# Altium PCB 4G_V4.0_5X4.PcbDoc (part 1 of 4)
Units mm, origin at the board's own origin, x right, y up, seen from the top; angles counter-clockwise.
Board outline 189.75 x 201.25 mm, 2 copper layers (Top Layer, Bottom Layer); 760 components, 0 nets, 5752 pads, 780 vias.
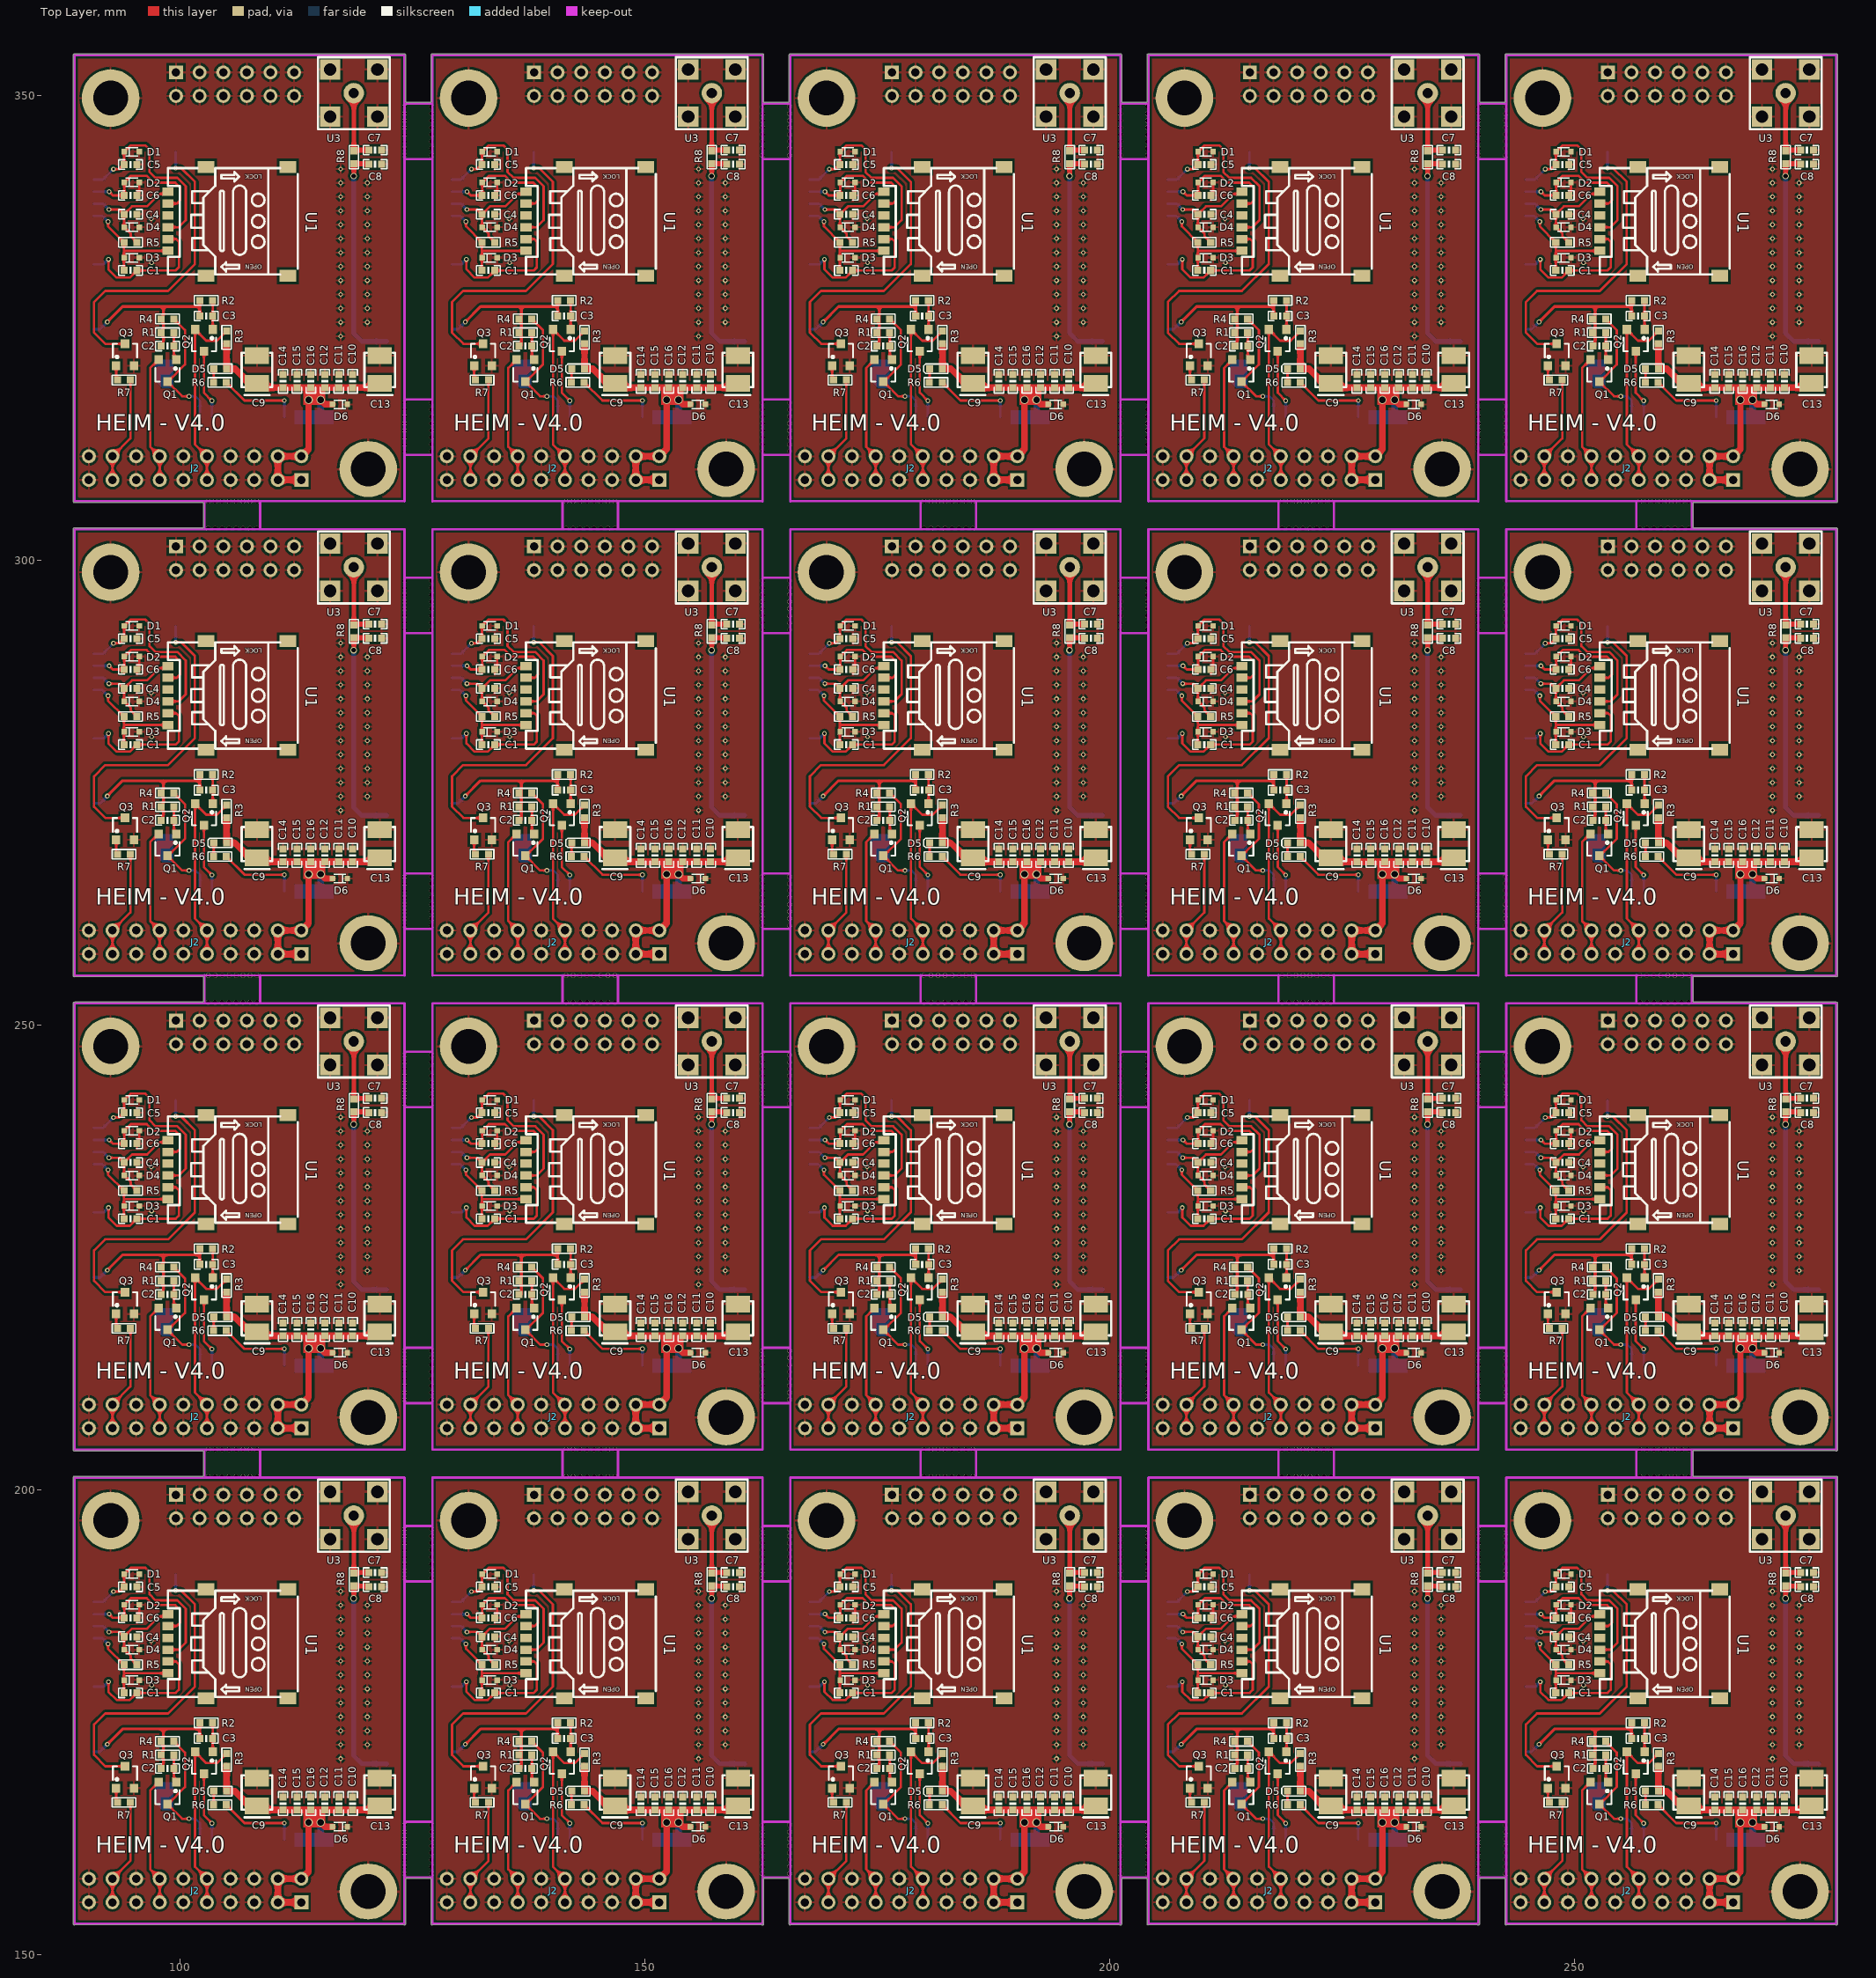
[diagram p0: Top Layer view]
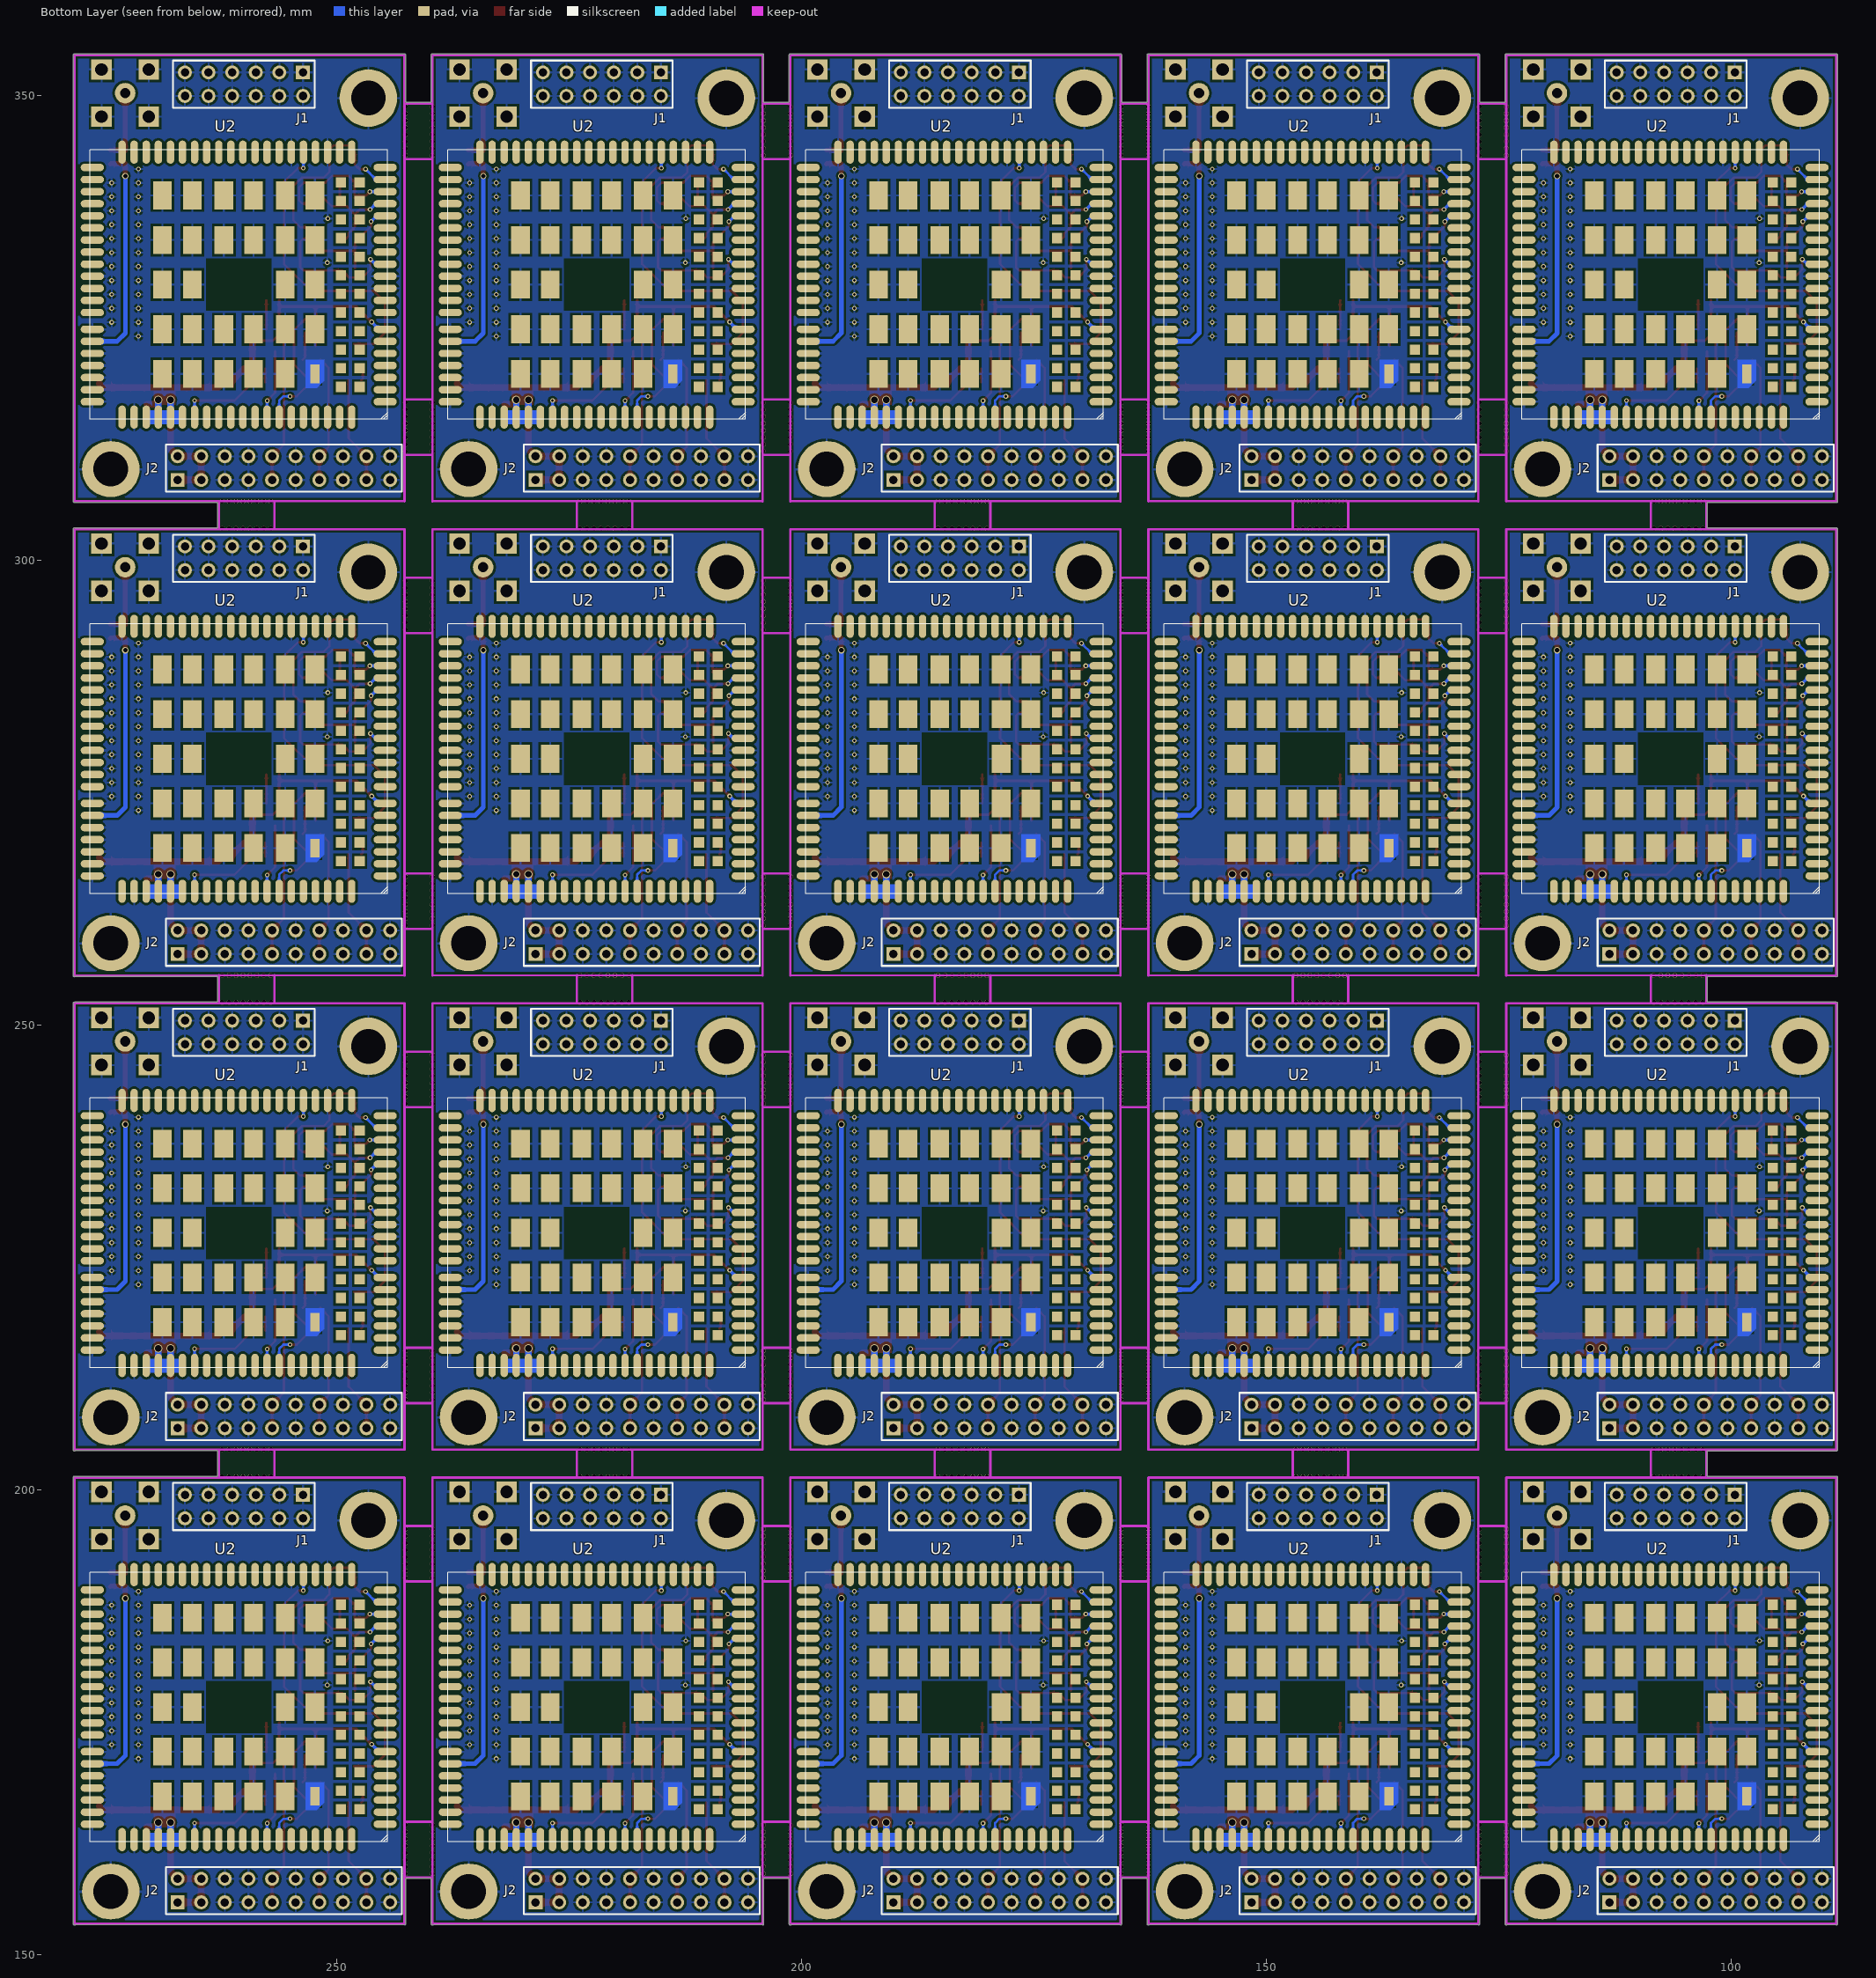
[diagram p1: Bottom Layer view, seen from below]

## Layer stack, top to bottom
Top Solder: solder mask 0.0102, Solder Resist, Dk 3.5
Top Layer: signal copper 0.0356
Dielectric 1: dielectric 0.32, FR-4, Dk 4.8
Bottom Layer: signal copper 0.0356
Bottom Solder: solder mask 0.0102, Solder Resist, Dk 3.5

## Board outline
88.548,153.301 88.548,201.301 cw(c88.675,201.301) 88.675,201.428 102.544,201.428 102.544,204.184 88.676,204.173 cw(c88.675,204.301) 88.548,204.301 88.548,252.301 cw(c88.675,252.301) 88.675,252.428 102.544,252.428 102.544,255.184 88.676,255.173 cw(c88.675,255.301) 88.548,255.301 88.548,303.301 cw(c88.675,303.301) 88.675,303.428 102.544,303.428 102.544,306.184 88.676,306.173 cw(c88.675,306.301) 88.548,306.301 88.548,354.301 cw(c88.675,354.301) 88.675,354.428 124.175,354.428 cw(c124.175,354.301) 124.303,354.301 124.303,349.221 127.048,349.221 127.048,354.301 cw(c127.175,354.301) 127.175,354.428 162.675,354.428 cw(c162.675,354.301) 162.803,354.301 162.803,349.221 165.548,349.221 165.548,354.301 cw(c165.675,354.301) 165.675,354.428 201.175,354.428 cw(c201.175,354.301) 201.303,354.301 201.303,349.221 204.048,349.221 204.048,354.301 cw(c204.175,354.301) 204.175,354.428 239.675,354.428 cw(c239.675,354.301) 239.803,354.301 239.803,349.221 242.548,349.221 242.548,354.301 cw(c242.675,354.301) 242.675,354.428 278.175,354.428 cw(c278.175,354.301) 278.303,354.301 278.303,306.301 cw(c278.175,306.301) 278.095,306.202 262.767,306.189 262.767,303.428 278.175,303.428 cw(c278.175,303.301) 278.303,303.301 278.303,255.301 cw(c278.175,255.301) 278.095,255.202 262.767,255.189 262.767,252.428 278.175,252.428 cw(c278.175,252.301) 278.303,252.301 278.303,204.301 cw(c278.175,204.301) 278.095,204.202 262.767,204.189 262.767,201.428 278.175,201.428 cw(c278.175,201.301) 278.303,201.301 278.303,153.301 cw(c278.175,153.301) 278.095,153.202 242.676,153.173 cw(c242.675,153.301) 242.548,153.301 242.548,158.171 239.803,158.171 239.803,153.301 cw(c239.675,153.301) 239.595,153.202 204.176,153.173 cw(c204.175,153.301) 204.048,153.301 204.048,158.171 201.303,158.171 201.303,153.301 cw(c201.175,153.301) 201.095,153.202 165.676,153.173 cw(c165.675,153.301) 165.548,153.301 165.548,158.171 162.803,158.171 162.803,153.301 cw(c162.675,153.301) 162.595,153.202 127.176,153.173 cw(c127.175,153.301) 127.048,153.301 127.048,158.171 124.303,158.171 124.303,153.301 cw(c124.175,153.301) 124.095,153.202 88.676,153.173 cw(c88.675,153.301)

## Design rules (kind name [scope] priority, off if disabled: settings)
Clearance [All] p1: gap=0.254
PolygonConnect [All] p1: connectstyle=Relief reliefconductorwidth=0.254 reliefentries=4 polygonreliefangle="90 Angle" airgapwidth=0.254
RoutingVias [All] p1: holewidth=0.711 width=1.27 viastyle="Through Hole" minholewidth=0.711 minwidth=1.27 maxholewidth=0.711 maxwidth=1.27
SolderMaskExpansion [All] p1: expansion=0.102
Width [All] p1: maxlimit=0.254 minlimit=0.254 preferedwidth=0.254
30 further rules are at their usual default settings.

## Components (designator, comment, footprint, x,y, rotation, side; value= is the part's Value field where it differs from the comment)
C1 "100NF/50V" 0603_C 94.695,178.136 r180 top
C1 "100NF/50V" 0603_C 133.195,178.136 r180 top
C1 "100NF/50V" 0603_C 171.695,178.136 r180 top
C1 "100NF/50V" 0603_C 210.195,178.136 r180 top
C1 "100NF/50V" 0603_C 248.695,178.136 r180 top
C1 "100NF/50V" 0603_C 94.695,229.136 r180 top
C1 "100NF/50V" 0603_C 133.195,229.136 r180 top
C1 "100NF/50V" 0603_C 171.695,229.136 r180 top
C1 "100NF/50V" 0603_C 210.195,229.136 r180 top
C1 "100NF/50V" 0603_C 248.695,229.136 r180 top
C1 "100NF/50V" 0603_C 94.695,280.136 r180 top
C1 "100NF/50V" 0603_C 133.195,280.136 r180 top
C1 "100NF/50V" 0603_C 171.695,280.136 r180 top
C1 "100NF/50V" 0603_C 210.195,280.136 r180 top
C1 "100NF/50V" 0603_C 248.695,280.136 r180 top
C1 "100NF/50V" 0603_C 94.695,331.136 r180 top
C1 "100NF/50V" 0603_C 133.195,331.136 r180 top
C1 "100NF/50V" 0603_C 171.695,331.136 r180 top
C1 "100NF/50V" 0603_C 210.195,331.136 r180 top
C1 "100NF/50V" 0603_C 248.695,331.136 r180 top
C2 "1NF/50V" 0603_C 98.673,170.001 r0 top
C2 "1NF/50V" 0603_C 137.173,170.001 r0 top
C2 "1NF/50V" 0603_C 175.673,170.001 r0 top
C2 "1NF/50V" 0603_C 214.173,170.001 r0 top
C2 "1NF/50V" 0603_C 252.673,170.001 r0 top
C2 "1NF/50V" 0603_C 98.673,221.001 r0 top
C2 "1NF/50V" 0603_C 137.173,221.001 r0 top
C2 "1NF/50V" 0603_C 175.673,221.001 r0 top
C2 "1NF/50V" 0603_C 214.173,221.001 r0 top
C2 "1NF/50V" 0603_C 252.673,221.001 r0 top
C2 "1NF/50V" 0603_C 98.673,272.001 r0 top
C2 "1NF/50V" 0603_C 137.173,272.001 r0 top
C2 "1NF/50V" 0603_C 175.673,272.001 r0 top
C2 "1NF/50V" 0603_C 214.173,272.001 r0 top
C2 "1NF/50V" 0603_C 252.673,272.001 r0 top
C2 "1NF/50V" 0603_C 98.673,323.001 r0 top
C2 "1NF/50V" 0603_C 137.173,323.001 r0 top
C2 "1NF/50V" 0603_C 175.673,323.001 r0 top
C2 "1NF/50V" 0603_C 214.173,323.001 r0 top
C2 "1NF/50V" 0603_C 252.673,323.001 r0 top
C3 "1NF/50V" 0603_C 102.849,173.234 r0 top
C3 "1NF/50V" 0603_C 141.349,173.234 r0 top
C3 "1NF/50V" 0603_C 179.849,173.234 r0 top
C3 "1NF/50V" 0603_C 218.349,173.234 r0 top
C3 "1NF/50V" 0603_C 256.849,173.234 r0 top
C3 "1NF/50V" 0603_C 102.849,224.234 r0 top
C3 "1NF/50V" 0603_C 141.349,224.234 r0 top
C3 "1NF/50V" 0603_C 179.849,224.234 r0 top
C3 "1NF/50V" 0603_C 218.349,224.234 r0 top
C3 "1NF/50V" 0603_C 256.849,224.234 r0 top
C3 "1NF/50V" 0603_C 102.849,275.234 r0 top
C3 "1NF/50V" 0603_C 141.349,275.234 r0 top
C3 "1NF/50V" 0603_C 179.849,275.234 r0 top
C3 "1NF/50V" 0603_C 218.349,275.234 r0 top
C3 "1NF/50V" 0603_C 256.849,275.234 r0 top
C3 "1NF/50V" 0603_C 102.849,326.234 r0 top
C3 "1NF/50V" 0603_C 141.349,326.234 r0 top
C3 "1NF/50V" 0603_C 179.849,326.234 r0 top
C3 "1NF/50V" 0603_C 218.349,326.234 r0 top
C3 "1NF/50V" 0603_C 256.849,326.234 r0 top
C4 "33PF/50V" 0603_C 94.695,184.181 r0 top
C4 "33PF/50V" 0603_C 133.195,184.181 r0 top
C4 "33PF/50V" 0603_C 171.695,184.181 r0 top
C4 "33PF/50V" 0603_C 210.195,184.181 r0 top
C4 "33PF/50V" 0603_C 248.695,184.181 r0 top
C4 "33PF/50V" 0603_C 94.695,235.181 r0 top
C4 "33PF/50V" 0603_C 133.195,235.181 r0 top
C4 "33PF/50V" 0603_C 171.695,235.181 r0 top
C4 "33PF/50V" 0603_C 210.195,235.181 r0 top
C4 "33PF/50V" 0603_C 248.695,235.181 r0 top
C4 "33PF/50V" 0603_C 94.695,286.181 r0 top
C4 "33PF/50V" 0603_C 133.195,286.181 r0 top
C4 "33PF/50V" 0603_C 171.695,286.181 r0 top
C4 "33PF/50V" 0603_C 210.195,286.181 r0 top
C4 "33PF/50V" 0603_C 248.695,286.181 r0 top
C4 "33PF/50V" 0603_C 94.695,337.181 r0 top
C4 "33PF/50V" 0603_C 133.195,337.181 r0 top
C4 "33PF/50V" 0603_C 171.695,337.181 r0 top
C4 "33PF/50V" 0603_C 210.195,337.181 r0 top
C4 "33PF/50V" 0603_C 248.695,337.181 r0 top
C5 "33PF/50V" 0603_C 94.695,189.54 r0 top
C5 "33PF/50V" 0603_C 133.195,189.54 r0 top
C5 "33PF/50V" 0603_C 171.695,189.54 r0 top
C5 "33PF/50V" 0603_C 210.195,189.54 r0 top
C5 "33PF/50V" 0603_C 248.695,189.54 r0 top
C5 "33PF/50V" 0603_C 94.695,240.54 r0 top
C5 "33PF/50V" 0603_C 133.195,240.54 r0 top
C5 "33PF/50V" 0603_C 171.695,240.54 r0 top
C5 "33PF/50V" 0603_C 210.195,240.54 r0 top
C5 "33PF/50V" 0603_C 248.695,240.54 r0 top
C5 "33PF/50V" 0603_C 94.695,291.54 r0 top
C5 "33PF/50V" 0603_C 133.195,291.54 r0 top
C5 "33PF/50V" 0603_C 171.695,291.54 r0 top
C5 "33PF/50V" 0603_C 210.195,291.54 r0 top
C5 "33PF/50V" 0603_C 248.695,291.54 r0 top
C5 "33PF/50V" 0603_C 94.695,342.54 r0 top
C5 "33PF/50V" 0603_C 133.195,342.54 r0 top
C5 "33PF/50V" 0603_C 171.695,342.54 r0 top
C5 "33PF/50V" 0603_C 210.195,342.54 r0 top
C5 "33PF/50V" 0603_C 248.695,342.54 r0 top
C6 "33PF/50V" 0603_C 94.695,186.213 r0 top
C6 "33PF/50V" 0603_C 133.195,186.213 r0 top
C6 "33PF/50V" 0603_C 171.695,186.213 r0 top
C6 "33PF/50V" 0603_C 210.195,186.213 r0 top
C6 "33PF/50V" 0603_C 248.695,186.213 r0 top
C6 "33PF/50V" 0603_C 94.695,237.213 r0 top
C6 "33PF/50V" 0603_C 133.195,237.213 r0 top
C6 "33PF/50V" 0603_C 171.695,237.213 r0 top
C6 "33PF/50V" 0603_C 210.195,237.213 r0 top
C6 "33PF/50V" 0603_C 248.695,237.213 r0 top
C6 "33PF/50V" 0603_C 94.695,288.213 r0 top
C6 "33PF/50V" 0603_C 133.195,288.213 r0 top
C6 "33PF/50V" 0603_C 171.695,288.213 r0 top
C6 "33PF/50V" 0603_C 210.195,288.213 r0 top
C6 "33PF/50V" 0603_C 248.695,288.213 r0 top
C6 "33PF/50V" 0603_C 94.695,339.213 r0 top
C6 "33PF/50V" 0603_C 133.195,339.213 r0 top
C6 "33PF/50V" 0603_C 171.695,339.213 r0 top
C6 "33PF/50V" 0603_C 210.195,339.213 r0 top
C6 "33PF/50V" 0603_C 248.695,339.213 r0 top
C7 "[NC]" 0603_C 121.01,191.09 r0 top
C7 "[NC]" 0603_C 159.51,191.09 r0 top
C7 "[NC]" 0603_C 198.01,191.09 r0 top
C7 "[NC]" 0603_C 236.51,191.09 r0 top
C7 "[NC]" 0603_C 275.01,191.09 r0 top
C7 "[NC]" 0603_C 121.01,242.09 r0 top
C7 "[NC]" 0603_C 159.51,242.09 r0 top
C7 "[NC]" 0603_C 198.01,242.09 r0 top
C7 "[NC]" 0603_C 236.51,242.09 r0 top
C7 "[NC]" 0603_C 275.01,242.09 r0 top
C7 "[NC]" 0603_C 121.01,293.09 r0 top
C7 "[NC]" 0603_C 159.51,293.09 r0 top
C7 "[NC]" 0603_C 198.01,293.09 r0 top
C7 "[NC]" 0603_C 236.51,293.09 r0 top
C7 "[NC]" 0603_C 275.01,293.09 r0 top
C7 "[NC]" 0603_C 121.01,344.09 r0 top
C7 "[NC]" 0603_C 159.51,344.09 r0 top
C7 "[NC]" 0603_C 198.01,344.09 r0 top
C7 "[NC]" 0603_C 236.51,344.09 r0 top
C7 "[NC]" 0603_C 275.01,344.09 r0 top
C8 "[NC]" 0603_C 121.01,189.566 r0 top
C8 "[NC]" 0603_C 159.51,189.566 r0 top
C8 "[NC]" 0603_C 198.01,189.566 r0 top
C8 "[NC]" 0603_C 236.51,189.566 r0 top
C8 "[NC]" 0603_C 275.01,189.566 r0 top
C8 "[NC]" 0603_C 121.01,240.566 r0 top
C8 "[NC]" 0603_C 159.51,240.566 r0 top
C8 "[NC]" 0603_C 198.01,240.566 r0 top
C8 "[NC]" 0603_C 236.51,240.566 r0 top
C8 "[NC]" 0603_C 275.01,240.566 r0 top
C8 "[NC]" 0603_C 121.01,291.566 r0 top
C8 "[NC]" 0603_C 159.51,291.566 r0 top
C8 "[NC]" 0603_C 198.01,291.566 r0 top
C8 "[NC]" 0603_C 236.51,291.566 r0 top
C8 "[NC]" 0603_C 275.01,291.566 r0 top
C8 "[NC]" 0603_C 121.01,342.566 r0 top
C8 "[NC]" 0603_C 159.51,342.566 r0 top
C8 "[NC]" 0603_C 198.01,342.566 r0 top
C8 "[NC]" 0603_C 236.51,342.566 r0 top
C8 "[NC]" 0603_C 275.01,342.566 r0 top
C9 "100UF/6.3V" CASE-B_3528 108.31,165.969 r270 top
C9 "100UF/6.3V" CASE-B_3528 146.81,165.969 r270 top
C9 "100UF/6.3V" CASE-B_3528 185.31,165.969 r270 top
C9 "100UF/6.3V" CASE-B_3528 223.81,165.969 r270 top
C9 "100UF/6.3V" CASE-B_3528 262.31,165.969 r270 top
C9 "100UF/6.3V" CASE-B_3528 108.31,216.969 r270 top
C9 "100UF/6.3V" CASE-B_3528 146.81,216.969 r270 top
C9 "100UF/6.3V" CASE-B_3528 185.31,216.969 r270 top
C9 "100UF/6.3V" CASE-B_3528 223.81,216.969 r270 top
C9 "100UF/6.3V" CASE-B_3528 262.31,216.969 r270 top
C9 "100UF/6.3V" CASE-B_3528 108.31,267.969 r270 top
C9 "100UF/6.3V" CASE-B_3528 146.81,267.969 r270 top
C9 "100UF/6.3V" CASE-B_3528 185.31,267.969 r270 top
C9 "100UF/6.3V" CASE-B_3528 223.81,267.969 r270 top
C9 "100UF/6.3V" CASE-B_3528 262.31,267.969 r270 top
C9 "100UF/6.3V" CASE-B_3528 108.31,318.969 r270 top
C9 "100UF/6.3V" CASE-B_3528 146.81,318.969 r270 top
C9 "100UF/6.3V" CASE-B_3528 185.31,318.969 r270 top
C9 "100UF/6.3V" CASE-B_3528 223.81,318.969 r270 top
C9 "100UF/6.3V" CASE-B_3528 262.31,318.969 r270 top
C10 "100NF/50V" 0603_C 118.597,166.223 r90 top
C10 "100NF/50V" 0603_C 157.097,166.223 r90 top
C10 "100NF/50V" 0603_C 195.597,166.223 r90 top
C10 "100NF/50V" 0603_C 234.097,166.223 r90 top
C10 "100NF/50V" 0603_C 272.597,166.223 r90 top
C10 "100NF/50V" 0603_C 118.597,217.223 r90 top
C10 "100NF/50V" 0603_C 157.097,217.223 r90 top
C10 "100NF/50V" 0603_C 195.597,217.223 r90 top
C10 "100NF/50V" 0603_C 234.097,217.223 r90 top
C10 "100NF/50V" 0603_C 272.597,217.223 r90 top
C10 "100NF/50V" 0603_C 118.597,268.223 r90 top
C10 "100NF/50V" 0603_C 157.097,268.223 r90 top
C10 "100NF/50V" 0603_C 195.597,268.223 r90 top
C10 "100NF/50V" 0603_C 234.097,268.223 r90 top
C10 "100NF/50V" 0603_C 272.597,268.223 r90 top
C10 "100NF/50V" 0603_C 118.597,319.223 r90 top
C10 "100NF/50V" 0603_C 157.097,319.223 r90 top
C10 "100NF/50V" 0603_C 195.597,319.223 r90 top
C10 "100NF/50V" 0603_C 234.097,319.223 r90 top
C10 "100NF/50V" 0603_C 272.597,319.223 r90 top
C11 "33PF/50V" 0603_C 117.098,166.223 r90 top
C11 "33PF/50V" 0603_C 155.598,166.223 r90 top
C11 "33PF/50V" 0603_C 194.098,166.223 r90 top
C11 "33PF/50V" 0603_C 232.598,166.223 r90 top
C11 "33PF/50V" 0603_C 271.098,166.223 r90 top
C11 "33PF/50V" 0603_C 117.098,217.223 r90 top
C11 "33PF/50V" 0603_C 155.598,217.223 r90 top
C11 "33PF/50V" 0603_C 194.098,217.223 r90 top
C11 "33PF/50V" 0603_C 232.598,217.223 r90 top
C11 "33PF/50V" 0603_C 271.098,217.223 r90 top
C11 "33PF/50V" 0603_C 117.098,268.223 r90 top
C11 "33PF/50V" 0603_C 155.598,268.223 r90 top
C11 "33PF/50V" 0603_C 194.098,268.223 r90 top
C11 "33PF/50V" 0603_C 232.598,268.223 r90 top
C11 "33PF/50V" 0603_C 271.098,268.223 r90 top
C11 "33PF/50V" 0603_C 117.098,319.223 r90 top
C11 "33PF/50V" 0603_C 155.598,319.223 r90 top
C11 "33PF/50V" 0603_C 194.098,319.223 r90 top
C11 "33PF/50V" 0603_C 232.598,319.223 r90 top
C11 "33PF/50V" 0603_C 271.098,319.223 r90 top
C12 "10PF/50V" 0603_C 115.599,166.223 r90 top
C12 "10PF/50V" 0603_C 154.099,166.223 r90 top
C12 "10PF/50V" 0603_C 192.599,166.223 r90 top
C12 "10PF/50V" 0603_C 231.099,166.223 r90 top
C12 "10PF/50V" 0603_C 269.599,166.223 r90 top
C12 "10PF/50V" 0603_C 115.599,217.223 r90 top
C12 "10PF/50V" 0603_C 154.099,217.223 r90 top
C12 "10PF/50V" 0603_C 192.599,217.223 r90 top
C12 "10PF/50V" 0603_C 231.099,217.223 r90 top
C12 "10PF/50V" 0603_C 269.599,217.223 r90 top
C12 "10PF/50V" 0603_C 115.599,268.223 r90 top
C12 "10PF/50V" 0603_C 154.099,268.223 r90 top
C12 "10PF/50V" 0603_C 192.599,268.223 r90 top
C12 "10PF/50V" 0603_C 231.099,268.223 r90 top
C12 "10PF/50V" 0603_C 269.599,268.223 r90 top
C12 "10PF/50V" 0603_C 115.599,319.223 r90 top
C12 "10PF/50V" 0603_C 154.099,319.223 r90 top
C12 "10PF/50V" 0603_C 192.599,319.223 r90 top
C12 "10PF/50V" 0603_C 231.099,319.223 r90 top
C12 "10PF/50V" 0603_C 269.599,319.223 r90 top
C13 "100UF/6.3V" CASE-B_3528 121.518,165.969 r270 top
C13 "100UF/6.3V" CASE-B_3528 160.018,165.969 r270 top
C13 "100UF/6.3V" CASE-B_3528 198.518,165.969 r270 top
C13 "100UF/6.3V" CASE-B_3528 237.018,165.969 r270 top
C13 "100UF/6.3V" CASE-B_3528 275.518,165.969 r270 top
C13 "100UF/6.3V" CASE-B_3528 121.518,216.969 r270 top